# Altium PCB top_LM_v1.PcbDoc (part 3 of 5) (continued)
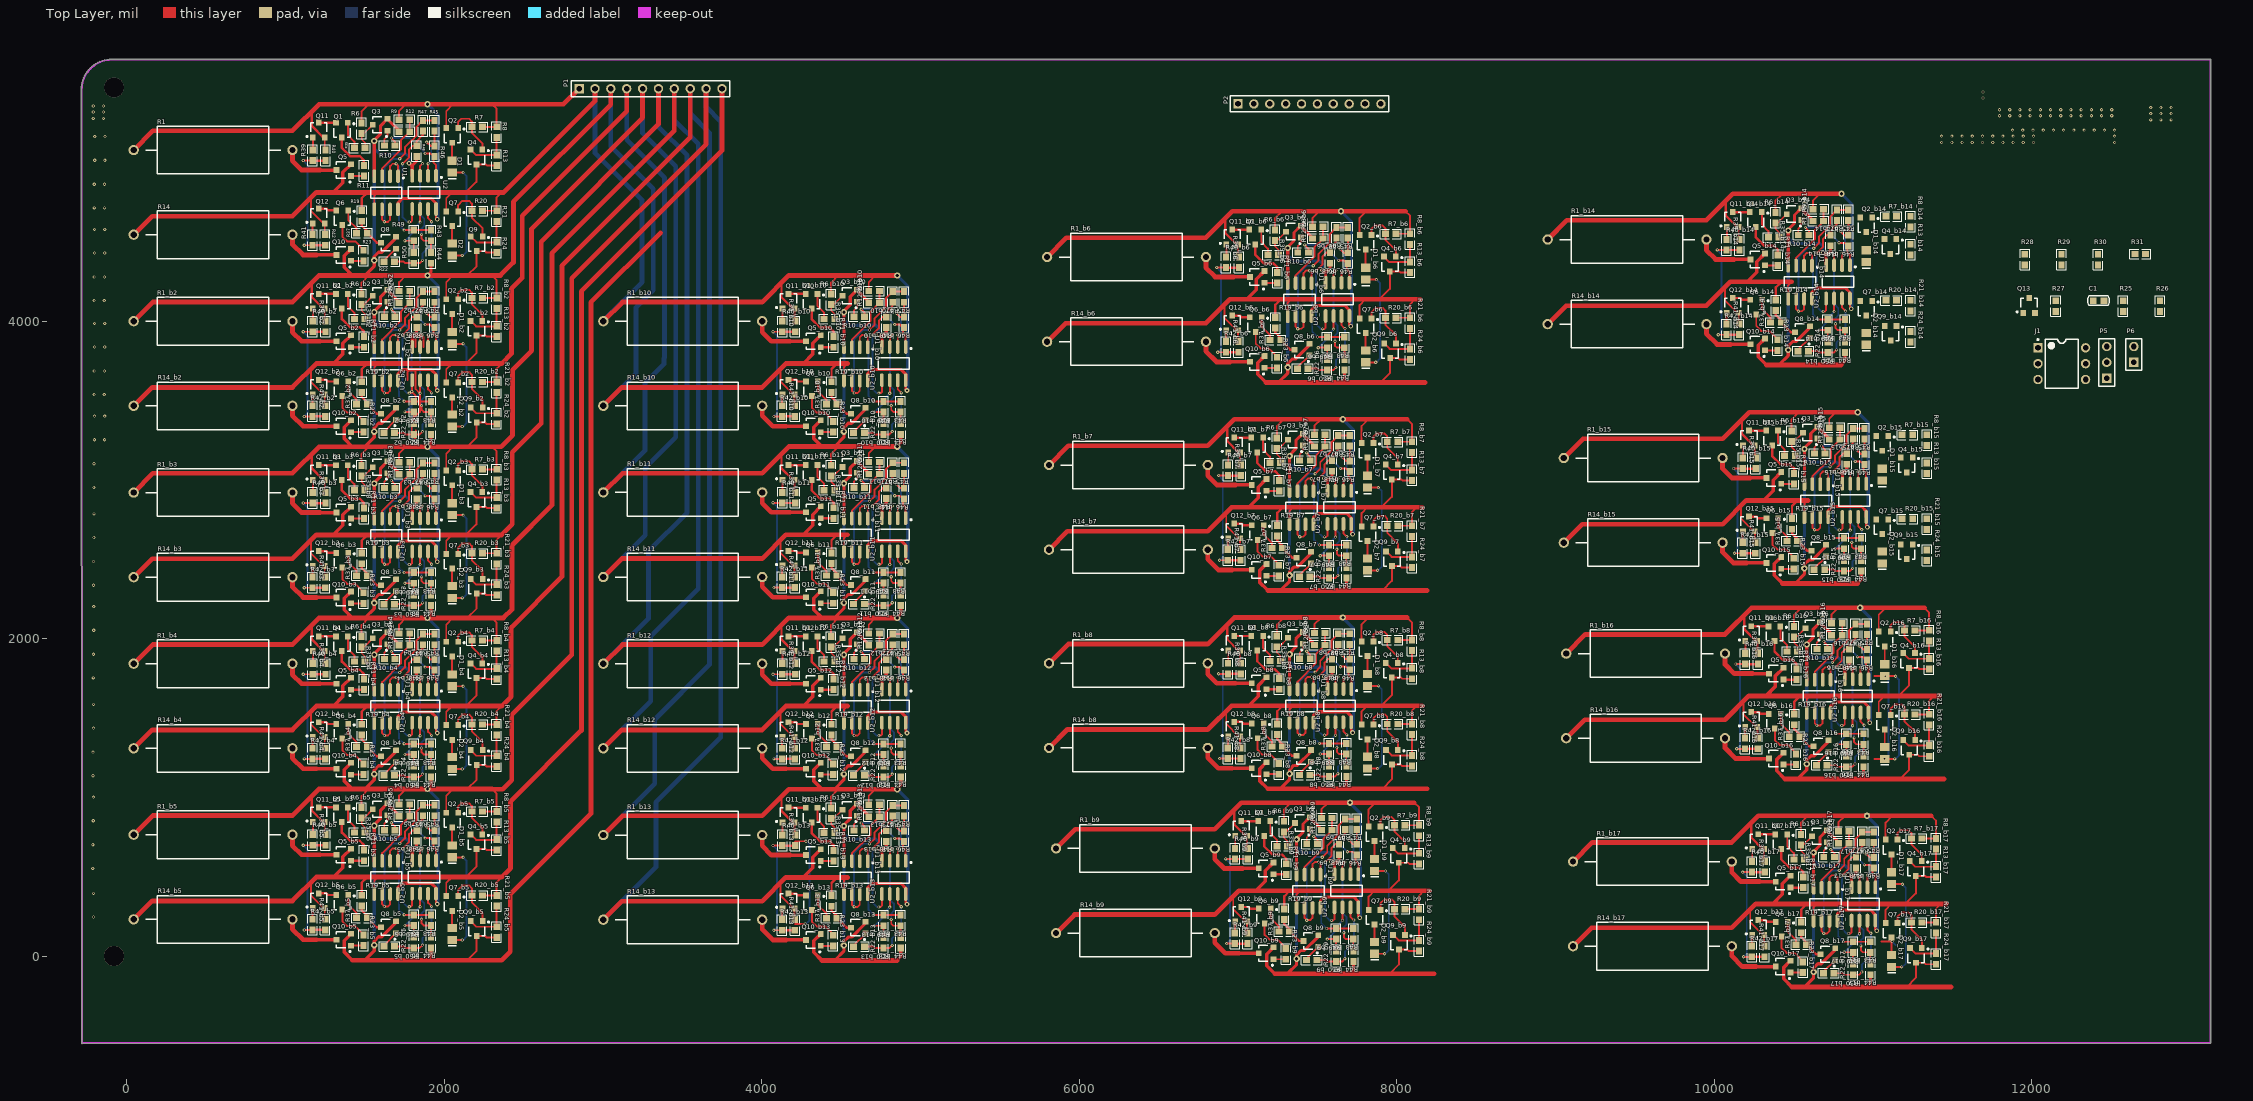
[diagram p0: Top Layer view]
## Nets (pads, with @x,y where several pads share a name; then routed paths per layer and width w, separated by ;. In a path a pad name is that pad's centre, name@x,y a point inside that pad or via, vN(x,y) a via of type N, cw(c..) or ccw(c..) an arc to the next point about the centre after c; other vN are vias at no path point) (continued)
  Top Layer w15: 6931.75,2082.25 6931.75,1996.28 Q11_b8.2@7003.57,1924.46 ; U2_b8.8@7713.75,1473.51 7713.75,1416.72 v3(7721.75,1408.72) ; R19_b16.2@10503.87,1524.74 10503.87,1604.28 10538.87,1639.28 10542.87,1639.28
  Top Layer w20: Q11_b8.2@7003.57,1924.46 Q11_b8.2@7013.15,1924.46 ; 7268.61,2306.54 7324.75,2362.67 v2(7324.75,2398.72) 7324.75,2423.72 7351.75,2450.72 7373.19,2450.72 7461.01,2538.54 Q8_b7.2@7461.01,2548.13 ; 7288.61,2303 7289.54,2303.93 ; U1_b7.4@7324.75,2929.21 v2(7324.75,3150.72) 7324.75,3156.72 7364.75,3196.72 7364.75,3247.87 Q3_b7.2@7408.01,3291.13 7408.01,3288.38 7481.28,3215.1 R12_b7.1@7481.28,3209.72 ; U1_b8.8@7474.75,1471.24 7474.75,1513.72 7500.75,1539.72 7684.75,1539.72 7713.75,1510.72 U2_b8.8@7713.75,1473.51 ; v3(7543.75,3010.72) 7557.75,2996.72 7563.75,2996.72 ; U2_b7.4@7563.75,2931.49 7563.75,2996.72 ; R48_b7.2@7591.75,3054.26 7591.75,3024.72 7563.75,2996.72 ; 7658.75,2303.93 7682.75,2327.93 R44_b7.2@7682.75,2381.26
  Top Layer w22: Q10_b7.2@7178.87,2470.4 7135.61,2427.14 7135.61,2355 7186.69,2303.93 ; 10324.87,1639.28 10384.87,1699.28 10384.87,1766.42 Q5_b16.2@10436.13,1817.68
  Top Layer w30: R1_b8.2@5809.75,1844.72 5930.77,1965.75 6809.75,1965.75 6977,2133 7289.36,2133 7522.75,2133 v2(7660.61,2133) 7820.75,2133 8066,2133 ; 7186.69,2303.93 7289.54,2303.93 7658.75,2303.93 7910,2303.93 8191.07,2303.93 ; R14_b16.2@9067,1373 9183.28,1489.28 10067,1489.28 10217,1639.28 10324.87,1639.28 10538.87,1639.28 ; 10542.87,1639.28 10604,1639.28 11071.87,1639.28 11159.87,1639.28 11383.87,1639.28 11417.4,1639.28
  Bottom Layer w20: v2(7324.75,2398.72) 7324.75,3103.72 ; v2(7324.75,3150.72) 7324.75,3103.72 ; v3(7543.75,3010.72) 7543.75,3049.72 7524.75,3068.72 7359.75,3068.72 7324.75,3103.72 ; v2(7660.61,2133) 7726.75,2066.87 7726.75,1413.72 v3(7721.75,1408.72)
IN_A8: P2.7 Q2_b9.2 Q3_b8.2 Q4_b17.3 Q5_b17.2 Q7_b17.2 Q8_b8.2 Q9_b8.3 Q10_b8.2 Q11_b9.2 Q12_b17.2 R1_b9.2 R6_b9.2 R7_b9.2 R8_b9.2 R9_b9.2 R12_b8.1 R13_b17.1 R14_b17.2 R19_b17.2 R20_b17.2 R21_b17.2 R24_b8.1 R40_b9.1 R42_b17.1 R44_b8.2 R48_b8.2 U1_b8.4 U1_b9.8 U1_b17.5 U2_b8.4 U2_b9.8 | length 12005.7
  Top Layer w12: Q11_b9.2@7057.4,758.74 7057.4,684.06 R40_b9.1@7062,679.46 ; R6_b9.2@7288.87,850.2 7288.87,922.53 7333.61,967.28 ; R9_b9.2@7525.54,870 7525.54,925.81 7567,967.28 ; Q2_b9.2@7822.26,817.74 Q2_b9.2@7822.46,817.54 7822.46,924.74 7865,967.28 ; 7910,1054.93 7969.61,1114.54 Q9_b8.3@7969.61,1207.74 8022.35,1207.74 8031.56,1198.54 R24_b8.1@8095.61,1198.54 ; R7_b9.2@8051.33,825.28 8139.4,825.28 R8_b9.2@8139.87,825.74 8139.87,937.66 8110.25,967.28 ; 10226,293.78 10226,214 10305.26,134.74 Q12_b17.2@10313.4,134.74 10313.4,66.06 R42_b17.1@10316,63.46 ; U1_b17.5@10625,222.51 10625,307.28 10647,329.28 ; Q7_b17.2@11078.46,209.54 11078.46,292.87 11114.87,329.28 ; 11202.87,329.28 11268.87,395.28 Q4_b17.3@11268.87,506.02 11327.13,506.02 11334.33,498.81 R13_b17.1@11395.87,498.81 ; R20_b17.2@11307.8,213.74 R21_b17.2@11395.87,213.74 11395.87,298.28 11426.87,329.28
  Top Layer w15: 6976,916.53 6976,830.56 Q11_b9.2@7047.82,758.74 ; U2_b9.8@7758,307.79 7758,251 v3(7766,243) ; R19_b17.2@10546.87,214.74 10546.87,294.28 10581.87,329.28 10585.87,329.28
  Top Layer w20: Q11_b9.2@7047.82,758.74 Q11_b9.2@7057.4,758.74 ; 7268.61,1057.54 7324.75,1113.67 v2(7324.75,1149.72) 7324.75,1174.72 7351.75,1201.72 7373.19,1201.72 7461.01,1289.54 Q8_b8.2@7461.01,1299.13 ; 7288.61,1054 7289.54,1054.93 ; U1_b8.4@7324.75,1680.21 v2(7324.75,1901.72) 7324.75,1907.72 7364.75,1947.72 7364.75,1998.87 Q3_b8.2@7408.01,2042.13 7408.01,2039.38 7481.28,1966.1 R12_b8.1@7481.28,1960.72 ; U1_b9.8@7519,305.51 7519,348 7545,374 7729,374 7758,345 U2_b9.8@7758,307.79 ; v3(7543.75,1761.72) 7557.75,1747.72 7563.75,1747.72 ; U2_b8.4@7563.75,1682.49 7563.75,1747.72 ; R48_b8.2@7591.75,1805.26 7591.75,1775.72 7563.75,1747.72 ; 7658.75,1054.93 7682.75,1078.93 R44_b8.2@7682.75,1132.26
  Top Layer w22: Q10_b8.2@7178.87,1221.4 7135.61,1178.14 7135.61,1106 7186.69,1054.93 ; 10367.87,329.28 10427.87,389.28 10427.87,456.42 Q5_b17.2@10479.13,507.68
  Top Layer w30: R1_b9.2@5854,679 5975.02,800.02 6854,800.02 7021.25,967.28 7333.61,967.28 7567,967.28 v2(7704.87,967.28) 7865,967.28 8110.25,967.28 ; 7186.69,1054.93 7289.54,1054.93 7658.75,1054.93 7910,1054.93 8191.07,1054.93 ; R14_b17.2@9110,63 9226.28,179.28 10110,179.28 10260,329.28 10367.87,329.28 10581.87,329.28 ; 10585.87,329.28 10647,329.28 11114.87,329.28 11202.87,329.28 11426.87,329.28 11460.4,329.28
  Bottom Layer w20: v2(7324.75,1149.72) 7324.75,1854.72 ; v2(7324.75,1901.72) 7324.75,1854.72 ; v3(7543.75,1761.72) 7543.75,1800.72 7524.75,1819.72 7359.75,1819.72 7324.75,1854.72 ; v2(7704.87,967.28) 7771,901.14 7771,248 v3(7766,243)
IN_A9: P1.2 Q4.3 Q5.2 Q7.2 Q11_b10.2 Q12.2 R1_b10.2 R6_b10.2 R9_b10.2 R13.1 R14.2 R19.2 R20.2 R21.2 R40_b10.1 R42.1 U1.5 U1_b10.8 U2_b10.8 | length 10090.7
  Top Layer w12: 1161,4775.04 1161,4695.26 1240.26,4616 Q12.2@1248.4,4616 1248.4,4547.32 R42.1@1251,4544.72 ; U1.5@1560,4703.77 1560,4788.54 1582,4810.54 ; Q7.2@2013.46,4690.8 2013.46,4774.13 2049.87,4810.54 ; 2137.87,4810.54 2203.87,4876.54 Q4.3@2203.87,4987.28 2262.13,4987.28 2269.33,4980.07 R13.1@2330.87,4980.07 ; R20.2@2242.8,4695 R21.2@2330.87,4695 2330.87,4779.54 2349.93,4798.6 ; Q11_b10.2@4206.4,4079 4206.4,4004.32 R40_b10.1@4211,3999.72 ; R6_b10.2@4437.87,4170.46 4437.87,4242.79 4482.61,4287.54 ; R9_b10.2@4674.54,4190.26 4674.54,4246.07 4716,4287.54
  Top Layer w15: R19.2@1481.87,4696 1481.87,4775.54 1516.87,4810.54 1520.87,4810.54 ; 4125,4236.79 4125,4150.82 Q11_b10.2@4196.82,4079 ; U2_b10.8@4907,3628.05 4907,3571.26 v3(4915,3563.26)
  Top Layer w20: Q11_b10.2@4196.82,4079 Q11_b10.2@4206.4,4079 ; U1_b10.8@4668,3625.77 4668,3668.26 4694,3694.26 4878,3694.26 4907,3665.26 U2_b10.8@4907,3628.05
  Top Layer w22: 1302.87,4810.54 1362.87,4870.54 1362.87,4937.68 Q5.2@1414.13,4988.94
  Top Layer w30: R14.2@45,4544.26 161.28,4660.54 1045,4660.54 1195,4810.54 1302.87,4810.54 1516.87,4810.54 ; 1520.87,4810.54 1582,4810.54 2049.87,4810.54 2137.87,4810.54 2374.54,4810.54 2950,5386 P1.2@2950,5464 ; R1_b10.2@3003,3999.26 3124.02,4120.28 4003,4120.28 4170.25,4287.54 4482.61,4287.54 4716,4287.54 v2(4853.87,4287.54)
  Bottom Layer w20: v2(4853.87,4287.54) 4920,4221.4 4920,3568.26 v3(4915,3563.26)
  Bottom Layer w30: P1.2@2950,5464 2950,5059.05 3247.03,4762.03 3247.03,4245.28 R1_b10.2@3003,4001.26
IN_A10: P1.4 Q3_b10.2 Q4_b2.3 Q5_b2.2 Q7_b2.2 Q8_b10.2 Q10_b10.2 Q11_b11.2 Q12_b2.2 R1_b11.2 R6_b11.2 R9_b11.2 R12_b10.1 R13_b2.1 R14_b2.2 R19_b2.2 R20_b2.2 R21_b2.2 R40_b11.1 R42_b2.1 R44_b10.2 R48_b10.2 U1_b2.5 U1_b10.4 U1_b11.8 U2_b10.4 U2_b11.8 | length 15170.2
  Top Layer w12: 1161,3697.04 1161,3617.26 1240.26,3538 Q12_b2.2@1248.4,3538 1248.4,3469.32 R42_b2.1@1251,3466.72 ; U1_b2.5@1560,3625.77 1560,3710.54 1582,3732.54 ; Q7_b2.2@2013.46,3612.8 2013.46,3696.13 2049.87,3732.54 ; 2137.87,3732.54 2203.87,3798.54 Q4_b2.3@2203.87,3909.28 2262.13,3909.28 2269.33,3902.07 R13_b2.1@2330.87,3902.07 ; R20_b2.2@2242.8,3617 R21_b2.2@2330.87,3617 2330.87,3701.54 2361.87,3732.54 ; Q11_b11.2@4206.4,3001 4206.4,2926.32 R40_b11.1@4211,2921.72 ; R6_b11.2@4437.87,3092.46 4437.87,3164.79 4482.54,3209.46 4482.61,3209.54 ; R9_b11.2@4674.54,3112.26 4674.54,3168.07 4715.93,3209.46 4716,3209.54
  Top Layer w15: R19_b2.2@1481.87,3618 1481.87,3697.54 1516.87,3732.54 1520.87,3732.54 ; 4125,3158.79 4125,3072.82 Q11_b11.2@4196.82,3001 ; U2_b11.8@4907,2550.05 4907,2493.26 v3(4915,2485.26)
  Top Layer w20: Q11_b11.2@4196.82,3001 Q11_b11.2@4206.4,3001 ; 4461.87,3212.07 4518,3268.2 v2(4518,3304.26) 4518,3329.26 4545,3356.26 4566.44,3356.26 4654.26,3444.08 Q8_b10.2@4654.26,3453.66 ; 4481.87,3208.54 4482.8,3209.46 ; U1_b10.4@4518,3834.75 v2(4518,4056.26) 4518,4062.26 4558,4102.26 4558,4153.4 Q3_b10.2@4601.26,4196.66 4601.26,4193.91 4674.54,4120.64 R12_b10.1@4674.54,4115.26 ; U1_b11.8@4668,2547.77 4668,2590.26 4694,2616.26 4878,2616.26 4907,2587.26 U2_b11.8@4907,2550.05 ; v3(4737,3916.26) 4751,3902.26 4757,3902.26 ; U2_b10.4@4757,3837.02 4757,3902.26 ; R48_b10.2@4785,3959.8 4785,3930.26 4757,3902.26 ; v2@4852,3209.46 4852.07,3209.54 4876,3233.46 R44_b10.2@4876,3286.8
  Top Layer w22: 1302.87,3732.54 1362.87,3792.54 1362.87,3859.68 Q5_b2.2@1414.13,3910.94 ; Q10_b10.2@4372.13,3375.94 4328.87,3332.68 4328.87,3260.54 4379.87,3209.54 4379.94,3209.46
  Top Layer w30: R14_b2.2@45,3466.26 161.28,3582.54 1045,3582.54 1195,3732.54 1302.87,3732.54 1516.87,3732.54 ; 1520.87,3732.54 1582,3732.54 2049.87,3732.54 2137.87,3732.54 2361.87,3732.54 2424,3794.67 2424,4204 2492,4272 2492,4664.16 3150,5322.16 P1.4@3150,5464 ; R1_b11.2@3003,2921.26 3124.02,3042.28 4003,3042.28 4170.25,3209.54 4379.87,3209.54 4482.61,3209.54 4716,3209.54 4852.07,3209.54 v2(4853.87,3209.54) ; 4379.94,3209.46 4482.54,3209.46 4482.8,3209.46 4715.93,3209.46 v2@4852,3209.46
  Bottom Layer w20: v2(4518,3304.26) 4518,4009.26 ; v2(4518,4056.26) 4518,4009.26 ; v3(4737,3916.26) 4737,3955.26 4718,3974.26 4553,3974.26 4518,4009.26 ; v2(4853.87,3209.54) 4920,3143.4 4920,2490.26 v3(4915,2485.26)
  Bottom Layer w30: R1_b11.2@3003,2921.26 3265,3183.26 3265,3610 3384.45,3729.45 3384.45,3763.07 3384.45,3764.07 3386.45,3766.07 ; P1.4@3150,5464 3150,5141.89 3388.45,4903.45 3388.45,3771.07
IN_A11: P1.6 Q3_b11.2 Q4_b3.3 Q5_b3.2 Q7_b3.2 Q8_b11.2 Q10_b11.2 Q11_b12.2 Q12_b3.2 R1_b12.2 R6_b12.2 R9_b12.2 R12_b11.1 R13_b3.1 R14_b3.2 R19_b3.2 R20_b3.2 R21_b3.2 R40_b12.1 R42_b3.1 R44_b11.2 R48_b11.2 U1_b3.5 U1_b11.4 U1_b12.8 U2_b11.4 U2_b12.8 | length 17451.2
  Top Layer w12: 1161,2618.04 1161,2538.26 1240.26,2459 Q12_b3.2@1248.4,2459 1248.4,2390.32 R42_b3.1@1251,2387.72 ; U1_b3.5@1560,2546.77 1560,2631.54 1582,2653.54 ; Q7_b3.2@2013.46,2533.8 2013.46,2617.13 2049.87,2653.54 ; 2137.87,2653.54 2203.87,2719.54 Q4_b3.3@2203.87,2830.28 2262.13,2830.28 2269.33,2823.07 R13_b3.1@2330.87,2823.07 ; R20_b3.2@2242.8,2538 R21_b3.2@2330.87,2538 2330.87,2622.54 2361.87,2653.54 ; Q11_b12.2@4206.4,1922 4206.4,1847.32 R40_b12.1@4211,1842.72 ; R6_b12.2@4437.87,2013.46 4437.87,2085.79 4482.61,2130.54 ; R9_b12.2@4674.54,2033.26 4674.54,2089.07 4716,2130.54
  Top Layer w15: R19_b3.2@1481.87,2539 1481.87,2618.54 1516.87,2653.54 1520.87,2653.54 ; 4125,2079.79 4125,1993.82 Q11_b12.2@4196.82,1922 ; U2_b12.8@4907,1471.05 4907,1414.26 v3(4915,1406.26)
  Top Layer w20: Q11_b12.2@4196.82,1922 Q11_b12.2@4206.4,1922 ; 4461.87,2134.07 4518,2190.2 v2(4518,2226.26) 4518,2251.26 4545,2278.26 4566.44,2278.26 4654.26,2366.08 Q8_b11.2@4654.26,2375.66 ; 4481.87,2130.54 4482.8,2131.46 ; U1_b11.4@4518,2756.75 v2(4518,2978.26) 4518,2984.26 4558,3024.26 4558,3075.4 Q3_b11.2@4601.26,3118.66 4601.26,3115.91 4674.54,3042.64 R12_b11.1@4674.54,3037.26 ; U1_b12.8@4668,1468.77 4668,1511.26 4694,1537.26 4878,1537.26 4907,1508.26 U2_b12.8@4907,1471.05 ; v3(4737,2838.26) 4751,2824.26 4757,2824.26 ; U2_b11.4@4757,2759.02 4757,2824.26 ; R48_b11.2@4785,2881.8 4785,2852.26 4757,2824.26 ; v2@4852,2131.46 4876,2155.46 R44_b11.2@4876,2208.8
  Top Layer w22: 1302.87,2653.54 1362.87,2713.54 1362.87,2780.68 Q5_b3.2@1414.13,2831.94 ; Q10_b11.2@4372.13,2297.94 4328.87,2254.68 4328.87,2182.54 4379.94,2131.46
  Top Layer w30: R14_b3.2@45,2387.26 161.28,2503.54 1045,2503.54 1195,2653.54 1302.87,2653.54 1516.87,2653.54 ; 1520.87,2653.54 1582,2653.54 2049.87,2653.54 2137.87,2653.54 2361.87,2653.54 2429,2720.67 2429,3173 2612,3356 2612,4501.31 3350,5239.31 P1.6@3350,5464 ; R1_b12.2@3003,1842.26 3124.02,1963.28 4003,1963.28 4170.25,2130.54 4481.87,2130.54 4482.61,2130.54 4716,2130.54 v2(4853.87,2130.54) ; 4379.94,2131.46 4482.8,2131.46 v2@4852,2131.46
  Bottom Layer w20: v2(4518,2226.26) 4518,2931.26 ; v2(4518,2978.26) 4518,2931.26 ; v3(4737,2838.26) 4737,2877.26 4718,2896.26 4553,2896.26 4518,2931.26 ; v2(4853.87,2130.54) 4920,2064.4 4920,1411.26 v3(4915,1406.26)
  Bottom Layer w30: R1_b12.2@3003,1842.26 3286.5,2125.76 3286.5,2549.5 3529.87,2792.87 3529.87,5044.87 3350,5224.74 P1.6@3350,5464
IN_A12: P1.8 Q3_b12.2 Q4_b4.3 Q5_b4.2 Q7_b4.2 Q8_b12.2 Q10_b12.2 Q11_b13.2 Q12_b4.2 R1_b13.2 R6_b13.2 R9_b13.2 R12_b12.1 R13_b4.1 R14_b4.2 R19_b4.2 R20_b4.2 R21_b4.2 R40_b13.1 R42_b4.1 R44_b12.2 R48_b12.2 U1_b4.5 U1_b12.4 U1_b13.8 U2_b12.4 U2_b13.8 | length 19725.3
  Top Layer w12: 1161,1540.04 1161,1460.26 1240.26,1381 Q12_b4.2@1248.4,1381 1248.4,1312.32 R42_b4.1@1251,1309.72 ; U1_b4.5@1560,1468.77 1560,1553.54 1582,1575.54 ; Q7_b4.2@2013.46,1455.8 2013.46,1539.13 2049.87,1575.54 ; 2137.87,1575.54 2203.87,1641.54 Q4_b4.3@2203.87,1752.28 2262.13,1752.28 2269.33,1745.07 R13_b4.1@2330.87,1745.07 ; R20_b4.2@2242.8,1460 R21_b4.2@2330.87,1460 2330.87,1544.54 2361.87,1575.54 ; Q11_b13.2@4206.4,843 4206.4,768.32 R40_b13.1@4211,763.72 ; R6_b13.2@4437.87,934.46 4437.87,1006.79 4482.61,1051.54 ; R9_b13.2@4674.54,954.26 4674.54,1010.07 4716,1051.54
  Top Layer w15: R19_b4.2@1481.87,1461 1481.87,1540.54 1516.87,1575.54 1520.87,1575.54 ; 4125,1000.79 4125,914.82 Q11_b13.2@4196.82,843 ; U2_b13.8@4907,392.05 4907,335.26 v3(4915,327.26)
  Top Layer w20: Q11_b13.2@4196.82,843 Q11_b13.2@4206.4,843 ; 4461.87,1055.07 4518,1111.2 v2(4518,1147.26) 4518,1172.26 4545,1199.26 4566.44,1199.26 4654.26,1287.08 Q8_b12.2@4654.26,1296.66 ; 4481.87,1051.54 4482.8,1052.46 ; U1_b12.4@4518,1677.75 v2(4518,1899.26) 4518,1905.26 4558,1945.26 4558,1996.4 Q3_b12.2@4601.26,2039.66 4601.26,2036.91 4674.54,1963.64 R12_b12.1@4674.54,1958.26 ; U1_b13.8@4668,389.77 4668,432.26 4694,458.26 4878,458.26 4907,429.26 U2_b13.8@4907,392.05 ; v3(4737,1759.26) 4751,1745.26 4757,1745.26 ; U2_b12.4@4757,1680.02 4757,1745.26 ; R48_b12.2@4785,1802.8 4785,1773.26 4757,1745.26 ; v2@4852,1052.46 4876,1076.46 R44_b12.2@4876,1129.8
  Top Layer w22: 1302.87,1575.54 1362.87,1635.54 1362.87,1702.68 Q5_b4.2@1414.13,1753.94 ; Q10_b12.2@4372.13,1218.94 4328.87,1175.68 4328.87,1103.54 4379.94,1052.46
  Top Layer w30: R14_b4.2@45,1309.26 161.28,1425.54 1045,1425.54 1195,1575.54 1302.87,1575.54 1516.87,1575.54 ; 1520.87,1575.54 1582,1575.54 2049.87,1575.54 2137.87,1575.54 2361.87,1575.54 2422,1635.67 2422,2070 2742,2390 2742,4348.47 3550,5156.47 P1.8@3550,5464 ; R1_b13.2@3003,763.26 3124.02,884.28 4003,884.28 4170.25,1051.54 4481.87,1051.54 4482.61,1051.54 4716,1051.54 v2(4853.87,1051.54) ; 4379.94,1052.46 4482.8,1052.46 v2@4852,1052.46
  Bottom Layer w20: v2(4518,1147.26) 4518,1852.26 ; v2(4518,1899.26) 4518,1852.26 ; v3(4737,1759.26) 4737,1798.26 4718,1817.26 4553,1817.26 4518,1852.26 ; v2(4853.87,1051.54) 4920,985.4 4920,332.26 v3(4915,327.26)
  Bottom Layer w30: R1_b13.2@3003,763.26 3326,1086.26 3326,1491 3671.29,1836.29 3671.29,5186.29 3550,5307.58 P1.8@3550,5464
IN_A13: P1.10 Q2_b14.2 Q3_b13.2 Q4_b5.3 Q5_b5.2 Q7_b5.2 Q8_b13.2 Q10_b13.2 Q11_b14.2 Q12_b5.2 R1_b14.2 R6_b14.2 R7_b14.2 R8_b14.2 R9_b14.2 R12_b13.1 R13_b5.1 R14_b5.2 R19_b5.2 R20_b5.2 R21_b5.2 R40_b14.1 R42_b5.1 R44_b13.2 R48_b13.2 U1_b5.5 U1_b13.4 U1_b14.8 U2_b13.4 U2_b14.8 | length 15857.4
  Top Layer w12: 1161,463.04 1161,383.26 1240.26,304 Q12_b5.2@1248.4,304 1248.4,235.32 R42_b5.1@1251,232.72 ; U1_b5.5@1560,391.77 1560,476.54 1582,498.54 ; Q7_b5.2@2013.46,378.8 2013.46,462.13 2049.87,498.54 ; 2137.87,498.54 2203.87,564.54 Q4_b5.3@2203.87,675.28 2262.13,675.28 2269.33,668.07 R13_b5.1@2330.87,668.07 ; R20_b5.2@2242.8,383 R21_b5.2@2330.87,383 2330.87,467.54 2361.87,498.54 ; Q11_b14.2@10153.4,4593.74 10153.4,4519.06 R40_b14.1@10158,4514.46 ; R6_b14.2@10384.87,4685.2 10384.87,4757.53 10429.61,4802.28 ; R9_b14.2@10621.54,4705 10621.54,4760.81 10663,4802.28
  Top Layer w15: R19_b5.2@1481.87,384 1481.87,463.54 1516.87,498.54 1520.87,498.54 ; 10072,4751.53 10072,4665.56 Q11_b14.2@10143.82,4593.74 ; U2_b14.8@10854,4142.79 10854,4086 v3(10862,4078)
  Top Layer w20: 4461.87,-23.93 4518,32.2 v2(4518,68.26) 4518,93.26 4545,120.26 4566.44,120.26 4654.26,208.08 Q8_b13.2@4654.26,217.66 ; 4481.87,-27.46 4482.8,-26.54 ; U1_b13.4@4518,598.75 v2(4518,820.26) 4518,826.26 4558,866.26 4558,917.4 Q3_b13.2@4601.26,960.66 4601.26,957.91 4674.54,884.64 R12_b13.1@4674.54,879.26 ; v3(4737,680.26) 4751,666.26 4757,666.26 ; U2_b13.4@4757,601.02 4757,666.26 ; R48_b13.2@4785,723.8 4785,694.26 4757,666.26 ; 4852,-26.54 4876,-2.54 R44_b13.2@4876,50.8 ; Q11_b14.2@10143.82,4593.74 Q11_b14.2@10153.4,4593.74 ; U1_b14.8@10615,4140.51 10615,4183 10641,4209 10825,4209 10854,4180 U2_b14.8@10854,4142.79
  Top Layer w22: 1302.87,498.54 1362.87,558.54 1362.87,625.68 Q5_b5.2@1414.13,676.94 ; Q10_b13.2@4372.13,139.94 4328.87,96.68 4328.87,24.54 4379.94,-26.54
  Top Layer w30: R14_b5.2@45,232.26 161.28,348.54 1045,348.54 1195,498.54 1302.87,498.54 1516.87,498.54 ; 1520.87,498.54 1582,498.54 2049.87,498.54 2137.87,498.54 2361.87,498.54 2419,555.67 2419,976 2865,1422 2865,4188.63 3750,5073.63 P1.10@3750,5464 ; 4379.94,-26.54 4482.8,-26.54 4852,-26.54 ; R1_b14.2@8950,4514 9071.02,4635.02 9950,4635.02 10117.25,4802.28 10429.61,4802.28 10663,4802.28 v2(10800.87,4802.28)
  Bottom Layer w20: v2(4518,68.26) 4518,773.26 ; v2(4518,820.26) 4518,773.26 ; v3(4737,680.26) 4737,719.26 4718,738.26 4553,738.26 4518,773.26 ; v2(10800.87,4802.28) 10867,4736.14 10867,4083 v3(10862,4078)
IN_A14: P2.2 Q2_b15.2 Q3_b14.2 Q4_b6.3 Q5_b6.2 Q7_b6.2 Q8_b14.2 Q9_b14.3 Q10_b14.2 Q11_b15.2 Q12_b6.2 R1_b15.2 R6_b15.2 R7_b15.2 R8_b15.2 R9_b15.2 R12_b14.1 R13_b6.1 R14_b6.2 R19_b6.2 R20_b6.2 R21_b6.2 R24_b14.1 R40_b15.1 R42_b6.1 R44_b14.2 R48_b14.2 U1_b6.5 U1_b14.4 U1_b15.8 U2_b14.4 U2_b15.8 | length 10350.5
  Top Layer w12: 6913.75,4101.5 6913.75,4021.72 6993.01,3942.46 Q12_b6.2@7001.15,3942.46 7001.15,3873.79 R42_b6.1@7003.75,3871.19 ; U1_b6.5@7312.75,4030.24 7312.75,4115 7334.75,4137 ; Q7_b6.2@7766.21,4017.26 7766.21,4100.6 7802.61,4137 ; 7890.61,4137 7956.61,4203 Q4_b6.3@7956.61,4313.74 8014.87,4313.74 8022.08,4306.54 R13_b6.1@8083.61,4306.54 ; R20_b6.2@7995.54,4021.46 R21_b6.2@8083.61,4021.46 8083.61,4106 8114.61,4137 ; Q11_b15.2@10255.4,3217.48 10255.4,3142.8 R40_b15.1@10260,3138.2 ; R6_b15.2@10486.87,3308.94 10486.87,3381.27 10531.61,3426.02 ; R9_b15.2@10723.54,3328.74 10723.54,3384.55 10765,3426.02
  Top Layer w15: R19_b6.2@7234.61,4022.46 7234.61,4102 7269.61,4137 7273.61,4137 ; 10174,3375.27 10174,3289.3 Q11_b15.2@10245.82,3217.48 ; U2_b15.8@10956,2766.53 10956,2709.74 v3(10964,2701.74)
  Top Layer w20: Q11_b15.2@10245.82,3217.48 Q11_b15.2@10255.4,3217.48 ; 10408.87,3726.81 10465,3782.94 v2(10465,3819) 10465,3844 10492,3871 10513.44,3871 10601.26,3958.82 Q8_b14.2@10601.26,3968.4 ; 10428.87,3723.28 10429.8,3724.2 ; U1_b14.4@10465,4349.49 v2(10465,4571) 10465,4577 10505,4617 10505,4668.14 Q3_b14.2@10548.26,4711.4 10548.26,4708.65 10621.54,4635.38 R12_b14.1@10621.54,4630 ; v3(10684,4431) 10698,4417 10704,4417 ; U2_b14.4@10704,4351.76 10704,4417 ; U1_b15.8@10717,2764.25 10717,2806.74 10743,2832.74 10927,2832.74 10956,2803.74 U2_b15.8@10956,2766.53 ; R48_b14.2@10732,4474.54 10732,4445 10704,4417 ; 10799,3724.2 10823,3748.2 R44_b14.2@10823,3801.54
  Top Layer w22: 7055.61,4137 7115.61,4197 7115.61,4264.14 Q5_b6.2@7166.87,4315.4 ; Q10_b14.2@10319.13,3890.68 10275.87,3847.42 10275.87,3775.28 10326.94,3724.2
  Top Layer w30: R14_b6.2@5797.75,3870.72 5914.02,3987 6797.75,3987 6947.75,4137 7055.61,4137 7269.61,4137 ; 7273.61,4137 7334.75,4137 7802.61,4137 7890.61,4137 8114.61,4137 8148.15,4137 ; R1_b15.2@9052,3137.74 9173.02,3258.76 10052,3258.76 10219.25,3426.02 10531.61,3426.02 10765,3426.02 v2(10902.87,3426.02) ; 10326.94,3724.2 10429.8,3724.2 10799,3724.2
  Bottom Layer w20: v2(10465,3819) 10465,4524 ; v2(10465,4571) 10465,4524 ; v3(10684,4431) 10684,4470 10665,4489 10500,4489 10465,4524 ; v2(10902.87,3426.02) 10969,3359.88 10969,2706.74 v3(10964,2701.74)
IN_A15: P2.4 Q2_b16.2 Q3_b15.2 Q4_b7.3 Q5_b7.2 Q7_b7.2 Q8_b15.2 Q9_b15.3 Q10_b15.2 Q11_b16.2 Q12_b7.2 R1_b16.2 R6_b16.2 R7_b16.2 R8_b16.2 R9_b16.2 R12_b15.1 R13_b7.1 R14_b7.2 R19_b7.2 R20_b7.2 R21_b7.2 R24_b15.1 R40_b16.1 R42_b7.1 R44_b15.2 R48_b15.2 U1_b7.5 U1_b15.4 U1_b16.8 U2_b15.4 U2_b16.8 | length 11166
  Top Layer w12: 6925.75,2791.5 6925.75,2711.72 7005.01,2632.46 Q12_b7.2@7013.15,2632.46 7013.15,2563.79 R42_b7.1@7015.75,2561.19 ; U1_b7.5@7324.75,2720.24 7324.75,2805 7346.75,2827 ; Q7_b7.2@7778.21,2707.26 7778.21,2790.6 7814.61,2827 ; 7902.61,2827 7968.61,2893 Q4_b7.3@7968.61,3003.74 8026.87,3003.74 8034.08,2996.54 R13_b7.1@8095.61,2996.54 ; R20_b7.2@8007.54,2711.46 R21_b7.2@8095.61,2711.46 8095.61,2796 8126.61,2827 ; Q11_b16.2@10270.4,1985.74 10270.4,1911.06 R40_b16.1@10275,1906.46 ; R6_b16.2@10501.87,2077.2 10501.87,2149.53 10546.61,2194.28 ; R9_b16.2@10738.54,2097 10738.54,2152.81 10780,2194.28 ; Q2_b16.2@11035.26,2044.74 Q2_b16.2@11035.46,2044.54 11035.46,2151.74 11078,2194.28 ; R7_b16.2@11264.33,2052.28 11352.4,2052.28 R8_b16.2@11352.87,2052.74 11352.87,2164.66 11323.25,2194.28
  Top Layer w15: R19_b7.2@7246.61,2712.46 7246.61,2792 7281.61,2827 7285.61,2827 ; 10189,2143.53 10189,2057.56 Q11_b16.2@10260.82,1985.74 ; U2_b16.8@10971,1534.79 10971,1478 v3(10979,1470)
  Top Layer w20: Q11_b16.2@10260.82,1985.74 Q11_b16.2@10270.4,1985.74 ; 10510.87,2350.55 10567,2406.68 v2(10567,2442.74) 10567,2467.74 10594,2494.74 10615.44,2494.74 10703.26,2582.56 Q8_b15.2@10703.26,2592.14 ; 10530.87,2347.02 10531.8,2347.94 ; U1_b15.4@10567,2973.23 v2(10567,3194.74) 10567,3200.74 10607,3240.74 10607,3291.88 Q3_b15.2@10650.26,3335.14 10650.26,3332.39 10723.54,3259.12 R12_b15.1@10723.54,3253.74 ; U1_b16.8@10732,1532.51 10732,1575 10758,1601 10942,1601 10971,1572 U2_b16.8@10971,1534.79 ; v3(10786,3054.74) 10800,3040.74 10806,3040.74 ; U2_b15.4@10806,2975.5 10806,3040.74 ; R48_b15.2@10834,3098.28 10834,3068.74 10806,3040.74 ; 10901,2347.94 10925,2371.94 R44_b15.2@10925,2425.28
  Top Layer w22: 7067.61,2827 7127.61,2887 7127.61,2954.14 Q5_b7.2@7178.87,3005.4 ; Q10_b15.2@10421.13,2514.42 10377.87,2471.16 10377.87,2399.02 10428.94,2347.94
  Top Layer w30: R14_b7.2@5809.75,2560.72 5926.02,2677 6809.75,2677 6959.75,2827 7067.61,2827 7281.61,2827 ; 7285.61,2827 7346.75,2827 7814.61,2827 7902.61,2827 8126.61,2827 8160.15,2827 ; R1_b16.2@9067,1906 9188.02,2027.02 10067,2027.02 10234.25,2194.28 10546.61,2194.28 10780,2194.28 v2(10917.87,2194.28) 11078,2194.28 11323.25,2194.28 ; 10428.94,2347.94 10531.8,2347.94 10901,2347.94
  Bottom Layer w20: v2(10567,2442.74) 10567,3147.74 ; v2(10567,3194.74) 10567,3147.74 ; v3(10786,3054.74) 10786,3093.74 10767,3112.74 10602,3112.74 10567,3147.74 ; v2(10917.87,2194.28) 10984,2128.14 10984,1475 v3(10979,1470)
IN_A16: P2.6 Q2_b17.2 Q3_b16.2 Q4_b8.3 Q5_b8.2 Q7_b8.2 Q8_b16.2 Q9_b16.3 Q10_b16.2 Q11_b17.2 Q12_b8.2 R1_b17.2 R6_b17.2 R7_b17.2 R8_b17.2 R9_b17.2 R12_b16.1 R13_b8.1 R14_b8.2 R19_b8.2 R20_b8.2 R21_b8.2 R24_b16.1 R40_b17.1 R42_b8.1 R44_b16.2 R48_b16.2 U1_b8.5 U1_b16.4 U1_b17.8 U2_b16.4 U2_b17.8 | length 12005.7
  Top Layer w12: 6925.75,1542.5 6925.75,1462.72 7005.01,1383.46 Q12_b8.2@7013.15,1383.46 7013.15,1314.79 R42_b8.1@7015.75,1312.19 ; U1_b8.5@7324.75,1471.24 7324.75,1556 7346.75,1578 ; Q7_b8.2@7778.21,1458.26 7778.21,1541.6 7814.61,1578 ; 7902.61,1578 7968.61,1644 Q4_b8.3@7968.61,1754.74 8026.87,1754.74 8034.08,1747.54 R13_b8.1@8095.61,1747.54 ; R20_b8.2@8007.54,1462.46 R21_b8.2@8095.61,1462.46 8095.61,1547 8126.61,1578 ; Q11_b17.2@10313.4,675.74 10313.4,601.06 R40_b17.1@10318,596.46 ; R6_b17.2@10544.87,767.2 10544.87,839.53 10589.61,884.28 ; R9_b17.2@10781.54,787 10781.54,842.81 10823,884.28 ; Q2_b17.2@11078.26,734.74 Q2_b17.2@11078.46,734.54 11078.46,841.74 11121,884.28 ; 11167.25,1116.2 11226.87,1175.82 Q9_b16.3@11226.87,1269.02 11279.61,1269.02 11288.81,1259.81 R24_b16.1@11352.87,1259.81 ; R7_b17.2@11307.33,742.28 11395.4,742.28 R8_b17.2@11395.87,742.74 11395.87,854.66 11366.25,884.28
  Top Layer w15: R19_b8.2@7246.61,1463.46 7246.61,1543 7281.61,1578 7285.61,1578 ; 10232,833.53 10232,747.56 Q11_b17.2@10303.82,675.74 ; U2_b17.8@11014,224.79 11014,168 v3(11022,160)
  Top Layer w20: Q11_b17.2@10303.82,675.74 Q11_b17.2@10313.4,675.74 ; 10525.87,1118.81 10582,1174.94 v2(10582,1211) 10582,1236 10609,1263 10630.44,1263 10718.26,1350.82 Q8_b16.2@10718.26,1360.4 ; 10545.87,1115.28 10546.8,1116.2 ; U1_b16.4@10582,1741.49 v2(10582,1963) 10582,1969 10622,2009 10622,2060.14 Q3_b16.2@10665.26,2103.4 10665.26,2100.65 10738.54,2027.38 R12_b16.1@10738.54,2022 ; U1_b17.8@10775,222.51 10775,265 10801,291 10985,291 11014,262 U2_b17.8@11014,224.79 ; v3(10801,1823) 10815,1809 10821,1809 ; U2_b16.4@10821,1743.76 10821,1809 ; R48_b16.2@10849,1866.54 10849,1837 10821,1809 ; 10916,1116.2 10940,1140.2 R44_b16.2@10940,1193.54
  Top Layer w22: 7067.61,1578 7127.61,1638 7127.61,1705.14 Q5_b8.2@7178.87,1756.4 ; Q10_b16.2@10436.13,1282.68 10392.87,1239.42 10392.87,1167.28 10443.94,1116.2
  Top Layer w30: R14_b8.2@5809.75,1311.72 5926.02,1428 6809.75,1428 6959.75,1578 7067.61,1578 7281.61,1578 ; 7285.61,1578 7346.75,1578 7814.61,1578 7902.61,1578 8126.61,1578 8160.15,1578 ; R1_b17.2@9110,596 9231.02,717.02 10110,717.02 10277.25,884.28 10589.61,884.28 10823,884.28 v2(10960.87,884.28) 11121,884.28 11366.25,884.28 ; 10443.94,1116.2 10546.8,1116.2 10916,1116.2 11167.25,1116.2 11448.32,1116.2
  Bottom Layer w20: v2(10582,1211) 10582,1916 ; v2(10582,1963) 10582,1916 ; v3(10801,1823) 10801,1862 10782,1881 10617,1881 10582,1916 ; v2(10960.87,884.28) 11027,818.14 11027,165 v3(11022,160)
IN_A17: 